# KiCad board SparkFun_IoT_RedBoard-RP2350_panelized.kicad_pcb (continued)
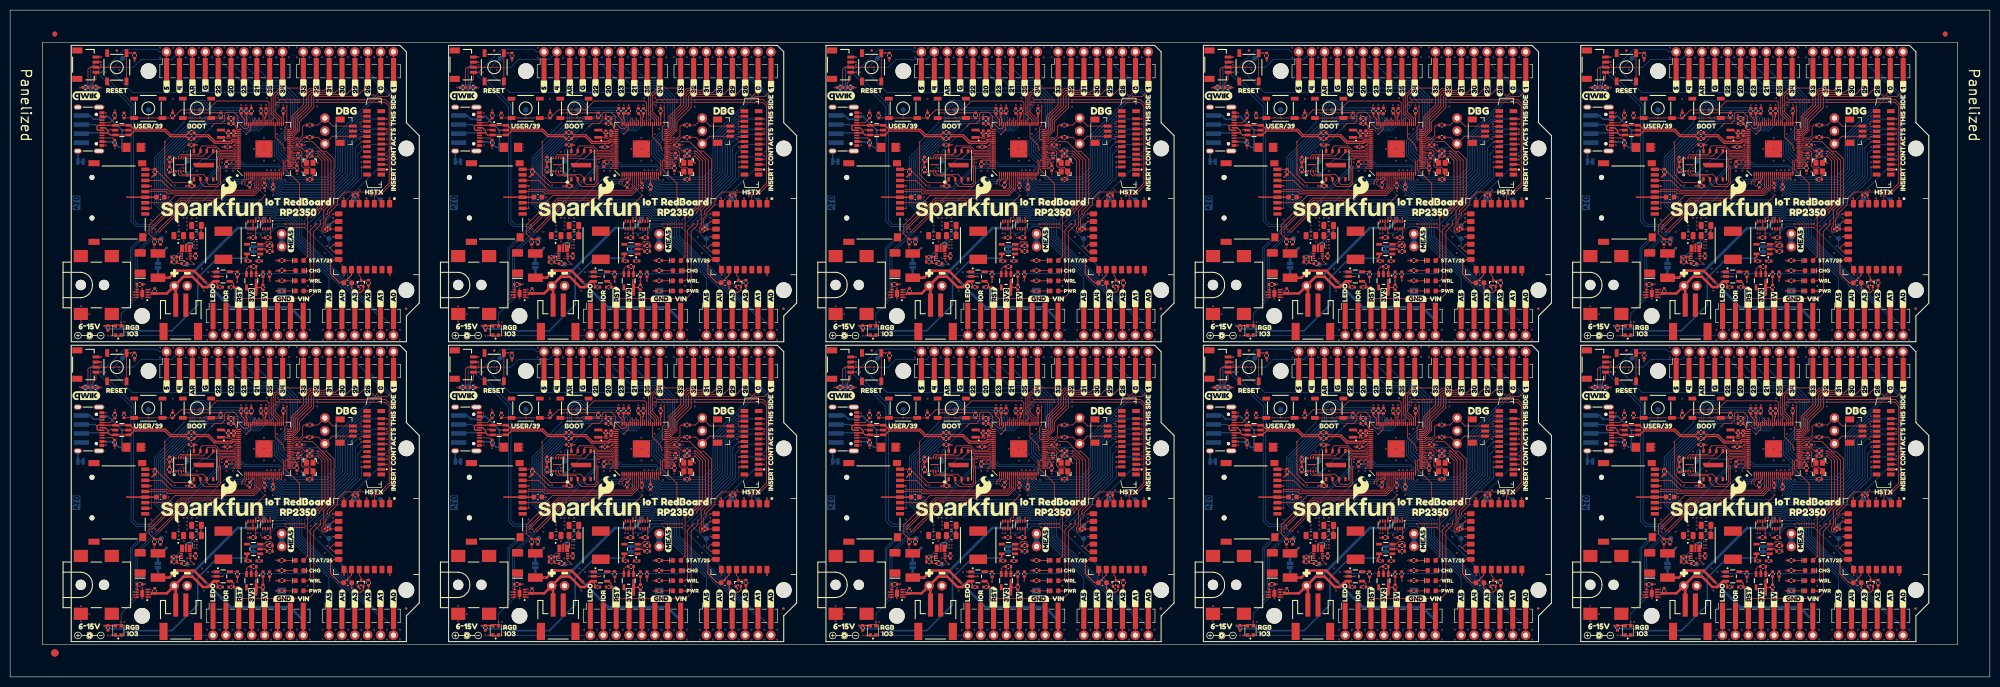
[diagram p0: board, top side]
## Routing (per net, layer and track width the routed paths; a pad name or vN(x,y) marks a point on that pad's centre or on a via; arc(x,y) is an arc through that point) (continued)
/Core/FLASH_~{CS}: length 422
  Top w0.15: v1(253.55,46.36) 253.55,39.96 255.2,38.31 v1(258.8,38.31) ; 333.65,96.79 333.67,96.78 333.67,96.92 v1(333.16,97.43) ; v1(34.27,111.18) 41.51,111.18 R9#2.1 ; U3#5.1 259.3,38.8 v1(258.8,38.31) ; 259.3,96.79 259.31,96.78 259.31,96.92 v1(258.8,97.43) ; 110.58,37.67 110.59,37.66 110.59,37.8 v1(110.08,38.31) ; v1(339.11,42.91) 339.36,43.16 341.78,43.16 341.78,43.16 U1#10.75 ; v1(104.83,105.48) 104.83,99.08 106.48,97.43 v1(110.08,97.43) ; v1(30.47,46.36) 30.47,39.96 32.12,38.31 v1(35.72,38.31) ; U1#3.75 193.06,102.28 193.06,102.28 190.64,102.28 v1(190.39,102.03) ; R9#5.1 190.23,111.18 v1(182.99,111.18) ; v1(184.44,97.43) 184.95,96.92 184.95,96.78 184.94,96.79 ; v1(184.44,97.43) 180.84,97.43 179.19,99.08 v1(179.19,105.48) ; v1(184.44,97.43) 184.94,97.92 U3#8.1 ; R9#10.1 338.95,52.06 v1(331.71,52.06) ; v1(35.72,97.43) 36.23,96.92 36.23,96.78 36.21,96.79 ; v1(35.72,97.43) 36.21,97.92 U3#4.1 ; v1(35.72,97.43) 32.12,97.43 30.47,99.08 v1(30.47,105.48) ; 36.21,37.67 36.23,37.66 36.23,37.8 v1(35.72,38.31) ; v1(184.44,38.31) 184.94,38.8 U3#7.1 ; v1(184.44,38.31) 180.84,38.31 179.19,39.96 v1(179.19,46.36) ; v1(184.44,38.31) 184.95,37.8 184.95,37.66 184.94,37.67 ; U1#5.75 118.7,102.28 118.7,102.28 116.28,102.28 v1(116.03,102.03) ; v1(333.16,97.43) 329.56,97.43 327.91,99.08 v1(327.91,105.48) ; v1(333.16,97.43) 333.65,97.92 333.65,98.1 ; 333.65,37.67 333.67,37.66 333.67,37.8 v1(333.16,38.31) ; U1#8.75 267.42,43.16 267.42,43.16 265,43.16 v1(264.75,42.91) ; v1(41.67,42.91) 41.92,43.16 44.34,43.16 44.34,43.16 U1.75 ; v1(258.8,97.43) 259.3,97.92 U3#10.1 ; v1(258.8,97.43) 255.2,97.43 253.55,99.08 v1(253.55,105.48) ; U3#2.1 110.58,38.8 v1(110.08,38.31) ; U3.1 36.21,38.8 v1(35.72,38.31) ; v1(116.03,42.91) 116.28,43.16 118.7,43.16 118.7,43.16 U1#4.75 ; v1(110.08,97.43) 110.58,97.92 U3#3.1 ; v1(110.08,97.43) 110.59,96.92 110.59,96.78 110.58,96.79 ; v1(333.16,38.31) 333.65,38.8 333.65,38.98 ; v1(333.16,38.31) 329.56,38.31 327.91,39.96 v1(327.91,46.36) ; v1(110.08,38.31) 106.48,38.31 104.83,39.96 v1(104.83,46.36) ; v1(264.75,102.03) 265,102.28 267.42,102.28 267.42,102.28 U1#2.75 ; R9#4.1 338.95,111.18 v1(331.71,111.18) ; R9#3.1 264.59,52.06 v1(257.35,52.06) ; v1(41.67,102.03) 41.92,102.28 44.34,102.28 44.34,102.28 U1#6.75 ; v1(182.99,52.06) 190.23,52.06 R9#8.1 ; v1(108.63,111.18) 115.87,111.18 R9#6.1 ; v1(34.27,52.06) 41.51,52.06 R9.1 ; R9#7.1 264.59,111.18 v1(257.35,111.18) ; U1#9.75 341.78,102.28 341.78,102.28 339.36,102.28 v1(339.11,102.03) ; v1(258.8,38.31) 259.31,37.8 259.31,37.66 259.3,37.67 ; R9#9.1 115.87,52.06 v1(108.63,52.06) ; U1#7.75 193.06,43.16 193.06,43.16 190.64,43.16 v1(190.39,42.91)
  Bottom w0.15: v1(182.99,52.06) 182.99,50.16 v1(179.19,46.36) ; v1(41.67,42.91) 37.81,42.91 TP6.1 35.72,39.14 v1(35.72,38.31) ; v1(190.39,42.91) 186.53,42.91 TP6#5.1 184.44,39.14 v1(184.44,38.31) ; v1(331.71,52.06) 331.71,50.16 v1(327.91,46.36) ; v1(182.99,111.18) 182.99,109.28 v1(179.19,105.48) ; v1(331.71,111.18) 331.71,109.28 v1(327.91,105.48) ; v1(104.83,105.48) 108.63,109.28 v1(108.63,111.18) ; v1(264.75,102.03) 260.89,102.03 TP6#7.1 258.8,98.26 v1(258.8,97.43) ; v1(190.39,102.03) 186.53,102.03 TP6#2.1 184.44,98.26 v1(184.44,97.43) ; v1(116.03,42.91) 112.17,42.91 TP6#3.1 110.08,39.14 v1(110.08,38.31) ; v1(35.72,97.43) 35.72,98.26 TP6#8.1 37.81,102.03 v1(41.67,102.03) ; v1(30.47,105.48) 34.27,109.28 v1(34.27,111.18) ; v1(30.47,46.36) 34.27,50.16 v1(34.27,52.06) ; v1(110.08,97.43) 110.08,98.26 TP6#6.1 112.17,102.03 v1(116.03,102.03) ; v1(258.8,38.31) 258.8,39.14 TP6#9.1 260.89,42.91 v1(264.75,42.91) ; v1(339.11,42.91) 335.25,42.91 TP6#4.1 333.16,39.14 v1(333.16,38.31) ; v1(108.63,52.06) 108.63,50.16 v1(104.83,46.36) ; v1(253.55,46.36) 257.35,50.16 v1(257.35,52.06) ; v1(339.11,102.03) 335.25,102.03 TP6#10.1 333.16,98.26 v1(333.16,97.43) ; v1(253.55,105.48) 257.35,109.28 v1(257.35,111.18)
/Core/IO8_POCI: length 253
  Top w0.15: U1#8.6 271.3,37.41 270.7,36.81 254.8,36.81 252.87,38.74 J14#7.7 ; J14.7 29.79,38.74 31.72,36.81 47.62,36.81 48.22,37.41 U1.6 ; U1#3.6 196.94,96.53 196.34,95.93 180.44,95.93 178.51,97.86 J14#4.7 ; J14#8.7 327.23,38.74 329.16,36.81 345.06,36.81 345.66,37.41 U1#10.6 ; J14#6.7 104.15,97.86 106.08,95.93 121.98,95.93 122.58,96.53 U1#5.6 ; J14#9.7 252.87,97.86 254.8,95.93 270.7,95.93 271.3,96.53 U1#2.6 ; J14#10.7 327.23,97.86 329.16,95.93 345.06,95.93 345.66,96.53 U1#9.6 ; U1#6.6 48.22,96.53 47.62,95.93 31.72,95.93 29.79,97.86 J14#2.7 ; J14#3.7 178.51,38.74 180.44,36.81 196.34,36.81 196.94,37.41 U1#7.6 ; U1#4.6 122.58,37.41 121.98,36.81 106.08,36.81 104.15,38.74 J14#5.7
/Core/IO9_~{CS}: length 290.2
  Top w0.15: U1#3.7 197.34,96.43 196.49,95.58 180.19,95.58 179.69,96.08 v1(176.54,96.08) ; U1#8.7 271.7,37.31 270.85,36.46 254.55,36.46 254.05,36.96 v1(250.9,36.96) ; v1(250.9,92.38) 250.88,92.36 J14#9.2 ; U1#5.7 122.98,96.43 122.13,95.58 105.83,95.58 105.33,96.08 v1(102.18,96.08) ; J14#10.2 325.24,92.36 v1(325.26,92.38) ; v1(27.82,96.08) 30.97,96.08 31.47,95.58 47.77,95.58 48.62,96.43 U1#6.7 ; J14#7.2 250.88,33.24 v1(250.9,33.26) ; v1(27.82,36.96) 30.97,36.96 31.47,36.46 47.77,36.46 48.62,37.31 U1.7 ; J14#2.2 27.8,92.36 v1(27.82,92.38) ; v1(102.18,36.96) 105.33,36.96 105.83,36.46 122.13,36.46 122.98,37.31 U1#4.7 ; U1#7.7 197.34,37.31 196.49,36.46 180.19,36.46 179.69,36.96 v1(176.54,36.96) ; v1(102.18,33.26) 102.16,33.24 J14#5.2 ; U1#9.7 346.06,96.43 345.21,95.58 328.91,95.58 328.41,96.08 v1(325.26,96.08) ; v1(176.54,92.38) 176.52,92.36 J14#4.2 ; v1(27.82,33.26) 27.8,33.24 J14.2 ; v1(325.26,36.96) 328.41,36.96 328.91,36.46 345.21,36.46 346.06,37.31 U1#10.7 ; v1(102.18,92.38) 102.16,92.36 J14#6.2 ; U1#2.7 271.7,96.43 270.85,95.58 254.55,95.58 254.05,96.08 v1(250.9,96.08) ; v1(325.26,33.26) 325.24,33.24 J14#8.2 ; v1(176.54,33.26) 176.52,33.24 J14#3.2
  Bottom w0.15: v1(102.18,36.96) v1(102.18,33.26) ; v1(250.9,36.96) v1(250.9,33.26) ; v1(27.82,36.96) v1(27.82,33.26) ; v1(250.9,96.08) v1(250.9,92.38) ; v1(325.26,96.08) v1(325.26,92.38) ; v1(176.54,96.08) v1(176.54,92.38) ; v1(176.54,36.96) v1(176.54,33.26) ; v1(27.82,96.08) v1(27.82,92.38) ; v1(325.26,36.96) v1(325.26,33.26) ; v1(102.18,96.08) v1(102.18,92.38)
/Core/IO10_SCK: length 258.9
  Top w0.15: J14#3.5 179.41,36.54 179.84,36.11 196.64,36.11 197.74,37.21 U1#7.8 ; J14#5.5 105.05,36.54 105.48,36.11 122.28,36.11 123.38,37.21 U1#4.8 ; J14#4.5 179.41,95.66 179.84,95.23 196.64,95.23 197.74,96.33 U1#3.8 ; J14#7.5 253.77,36.54 254.2,36.11 271,36.11 272.1,37.21 U1#8.8 ; J14#6.5 105.05,95.66 105.48,95.23 122.28,95.23 123.38,96.33 U1#5.8 ; J14#2.5 30.69,95.66 31.12,95.23 47.92,95.23 49.02,96.33 U1#6.8 ; J14#9.5 253.77,95.66 254.2,95.23 271,95.23 272.1,96.33 U1#2.8 ; J14#8.5 328.13,36.54 328.56,36.11 345.36,36.11 346.46,37.21 U1#10.8 ; U1.8 49.02,37.21 47.92,36.11 31.12,36.11 30.69,36.54 J14.5 ; U1#9.8 346.46,96.33 345.36,95.23 328.56,95.23 328.13,95.66 J14#10.5
/Core/IO11_PICO: length 269
  Top w0.15: J14.3 31.1,34.34 32.52,35.76 48.07,35.76 49.42,37.11 U1.9 ; U1#10.9 346.86,37.11 345.51,35.76 329.96,35.76 328.54,34.34 J14#8.3 ; J14#6.3 105.46,93.46 106.88,94.88 122.43,94.88 123.78,96.23 U1#5.9 ; J14#9.3 254.18,93.46 255.6,94.88 271.15,94.88 272.5,96.23 U1#2.9 ; J14#2.3 31.1,93.46 32.52,94.88 48.07,94.88 49.42,96.23 U1#6.9 ; U1#4.9 123.78,37.11 122.43,35.76 106.88,35.76 105.46,34.34 J14#5.3 ; U1#8.9 272.5,37.11 271.15,35.76 255.6,35.76 254.18,34.34 J14#7.3 ; U1#3.9 198.14,96.23 196.79,94.88 181.24,94.88 179.82,93.46 J14#4.3 ; J14#3.3 179.82,34.34 181.24,35.76 196.79,35.76 198.14,37.11 U1#7.9 ; J14#10.3 328.54,93.46 329.96,94.88 345.51,94.88 346.86,96.23 U1#9.9
/Core/IO12_HSTX0: length 357.5
  Top w0.15: v1(74.22,45.86) 74.17,45.91 J11.11 ; U1#9.11 v1(347.66,98.08) ; J11#8.11 297.25,45.91 v1(297.3,45.86) ; v1(148.58,45.86) 148.53,45.91 J11#4.11 ; v1(222.94,45.86) 222.89,45.91 J11#6.11 ; J11#2.11 222.89,105.03 v1(222.94,104.98) ; J11#9.11 297.25,105.03 v1(297.3,104.98) ; U1#2.11 v1(273.3,98.08) ; J11#7.11 371.61,105.03 v1(371.66,104.98) ; U1#3.11 v1(198.94,98.08) ; U1#4.11 v1(124.58,38.96) ; J11#3.11 74.17,105.03 v1(74.22,104.98) ; U1.11 v1(50.22,38.96) ; J11#10.11 371.61,45.91 v1(371.66,45.86) ; U1#10.11 v1(347.66,38.96) ; U1#7.11 v1(198.94,38.96) ; U1#8.11 v1(273.3,38.96) ; J11#5.11 148.53,105.03 v1(148.58,104.98) ; U1#6.11 v1(50.22,98.08) ; U1#5.11 v1(124.58,98.08)
  Bottom w0.15: v1(50.22,98.08) 50.22,97.08 53.27,94.03 64.12,94.03 68.52,98.43 68.52,103.08 70.42,104.98 v1(74.22,104.98) ; v1(371.66,104.98) 367.86,104.98 365.96,103.08 365.96,98.43 361.56,94.03 350.71,94.03 347.66,97.08 v1(347.66,98.08) ; v1(222.94,104.98) 219.14,104.98 217.24,103.08 217.24,98.43 212.84,94.03 201.99,94.03 198.94,97.08 v1(198.94,98.08) ; v1(148.58,104.98) 144.78,104.98 142.88,103.08 142.88,98.43 138.48,94.03 127.63,94.03 124.58,97.08 v1(124.58,98.08) ; v1(347.66,38.96) 347.66,37.96 350.71,34.91 361.56,34.91 365.96,39.31 365.96,43.96 367.86,45.86 v1(371.66,45.86) ; v1(273.3,38.96) 273.3,37.96 276.35,34.91 287.2,34.91 291.6,39.31 291.6,43.96 293.5,45.86 v1(297.3,45.86) ; v1(273.3,98.08) 273.3,97.08 276.35,94.03 287.2,94.03 291.6,98.43 291.6,103.08 293.5,104.98 v1(297.3,104.98) ; v1(124.58,38.96) 124.58,37.96 127.63,34.91 138.48,34.91 142.88,39.31 142.88,43.96 144.78,45.86 v1(148.58,45.86) ; v1(74.22,45.86) 70.42,45.86 68.52,43.96 68.52,39.31 64.12,34.91 53.27,34.91 50.22,37.96 v1(50.22,38.96) ; v1(222.94,45.86) 219.14,45.86 217.24,43.96 217.24,39.31 212.84,34.91 201.99,34.91 198.94,37.96 v1(198.94,38.96)
/Core/IO13_HSTX1: length 306.1
  Top w0.15: J11#8.12 292.35,46.41 v1(292.3,46.36) ; U1#9.12 v1(348.06,98.38) ; U1#6.12 v1(50.62,98.38) ; J11#5.12 143.63,105.53 v1(143.58,105.48) ; U1#3.12 v1(199.34,98.38) ; U1#5.12 v1(124.98,98.38) ; v1(366.66,105.48) 366.71,105.53 J11#7.12 ; J11#2.12 217.99,105.53 v1(217.94,105.48) ; U1#7.12 v1(199.34,39.26) ; v1(69.22,46.36) 69.27,46.41 J11.12 ; U1#2.12 v1(273.7,98.38) ; v1(143.58,46.36) 143.63,46.41 J11#4.12 ; U1#10.12 v1(348.06,39.26) ; J11#9.12 292.35,105.53 v1(292.3,105.48) ; v1(217.94,46.36) 217.99,46.41 J11#6.12 ; U1#8.12 v1(273.7,39.26) ; J11#3.12 69.27,105.53 v1(69.22,105.48) ; J11#10.12 366.71,46.41 v1(366.66,46.36) ; U1.12 v1(50.62,39.26) ; U1#4.12 v1(124.98,39.26)
  Bottom w0.15: v1(366.66,46.36) 365.46,45.16 365.46,39.51 361.36,35.41 350.81,35.41 348.06,38.16 v1(348.06,39.26) ; v1(348.06,98.38) 348.06,97.28 350.81,94.53 361.36,94.53 365.46,98.63 365.46,104.28 v1(366.66,105.48) ; v1(217.94,105.48) 216.74,104.28 216.74,98.63 212.64,94.53 202.09,94.53 199.34,97.28 v1(199.34,98.38) ; v1(143.58,46.36) 142.38,45.16 142.38,39.51 138.28,35.41 127.73,35.41 124.98,38.16 v1(124.98,39.26) ; v1(50.62,98.38) 50.62,97.28 53.37,94.53 63.92,94.53 68.02,98.63 68.02,104.28 v1(69.22,105.48) ; v1(217.94,46.36) 216.74,45.16 216.74,39.51 212.64,35.41 202.09,35.41 199.34,38.16 v1(199.34,39.26) ; v1(50.62,39.26) 50.62,38.16 53.37,35.41 63.92,35.41 68.02,39.51 68.02,45.16 v1(69.22,46.36) ; v1(124.98,98.38) 124.98,97.28 127.73,94.53 138.28,94.53 142.38,98.63 142.38,104.28 v1(143.58,105.48) ; v1(292.3,105.48) 291.1,104.28 291.1,98.63 287,94.53 276.45,94.53 273.7,97.28 v1(273.7,98.38) ; v1(292.3,46.36) 291.1,45.16 291.1,39.51 287,35.41 276.45,35.41 273.7,38.16 v1(273.7,39.26)
/Core/IO14_HSTX2: length 305
  Top w0.15: v1(292.3,106.48) 292.35,106.53 J11#9.14 ; U1.13 v1(51.02,38.96) ; J11#3.14 69.27,106.53 v1(69.22,106.48) ; v1(292.3,47.36) 292.35,47.41 J11#8.14 ; U1#2.13 v1(274.1,98.08) ; v1(69.22,47.36) 69.27,47.41 J11.14 ; J11#5.14 143.63,106.53 v1(143.58,106.48) ; U1#4.13 v1(125.38,38.96) ; U1#8.13 v1(274.1,38.96) ; v1(366.66,47.36) 366.71,47.41 J11#10.14 ; v1(366.66,106.48) 366.71,106.53 J11#7.14 ; J11#6.14 217.99,47.41 v1(217.94,47.36) ; U1#7.13 v1(199.74,38.96) ; U1#3.13 v1(199.74,98.08) ; U1#5.13 v1(125.38,98.08) ; J11#4.14 143.63,47.41 v1(143.58,47.36) ; U1#6.13 v1(51.02,98.08) ; J11#2.14 217.99,106.53 v1(217.94,106.48) ; U1#10.13 v1(348.46,38.96) ; U1#9.13 v1(348.46,98.08)
  Bottom w0.15: v1(366.66,106.48) 366.26,106.48 364.96,105.18 364.96,98.83 361.16,95.03 350.91,95.03 348.46,97.48 v1(348.46,98.08) ; v1(125.38,38.96) 125.38,38.36 127.83,35.91 138.08,35.91 141.88,39.71 141.88,46.06 143.18,47.36 v1(143.58,47.36) ; v1(51.02,38.96) 51.02,38.36 53.47,35.91 63.72,35.91 67.52,39.71 67.52,46.06 68.82,47.36 v1(69.22,47.36) ; v1(199.74,98.08) 199.74,97.48 202.19,95.03 212.44,95.03 216.24,98.83 216.24,105.18 217.54,106.48 v1(217.94,106.48) ; v1(292.3,47.36) 291.9,47.36 290.6,46.06 290.6,39.71 286.8,35.91 276.55,35.91 274.1,38.36 v1(274.1,38.96) ; v1(292.3,106.48) 291.9,106.48 290.6,105.18 290.6,98.83 286.8,95.03 276.55,95.03 274.1,97.48 v1(274.1,98.08) ; v1(69.22,106.48) 68.82,106.48 67.52,105.18 67.52,98.83 63.72,95.03 53.47,95.03 51.02,97.48 v1(51.02,98.08) ; v1(217.94,47.36) 217.54,47.36 216.24,46.06 216.24,39.71 212.44,35.91 202.19,35.91 199.74,38.36 v1(199.74,38.96) ; v1(366.66,47.36) 366.26,47.36 364.96,46.06 364.96,39.71 361.16,35.91 350.91,35.91 348.46,38.36 v1(348.46,38.96) ; v1(143.58,106.48) 143.18,106.48 141.88,105.18 141.88,98.83 138.08,95.03 127.83,95.03 125.38,97.48 v1(125.38,98.08)
/Core/IO15_HSTX3: length 348.4
  Top w0.15: U1.14 v1(51.42,39.26) ; J11#8.15 297.25,47.91 v1(297.3,47.86) ; v1(222.94,106.98) 222.89,107.03 J11#2.15 ; J11#4.15 148.53,47.91 v1(148.58,47.86) ; J11#10.15 371.61,47.91 v1(371.66,47.86) ; U1#4.14 v1(125.78,39.26) ; U1#6.14 v1(51.42,98.38) ; J11.15 74.17,47.91 v1(74.22,47.86) ; v1(74.22,106.98) 74.17,107.03 J11#3.15 ; U1#5.14 v1(125.78,98.38) ; U1#8.14 v1(274.5,39.26) ; J11#5.15 148.53,107.03 v1(148.58,106.98) ; U1#2.14 v1(274.5,98.38) ; v1(371.66,106.98) 371.61,107.03 J11#7.15 ; U1#7.14 v1(200.14,39.26) ; J11#6.15 222.89,47.91 v1(222.94,47.86) ; U1#9.14 v1(348.86,98.38) ; U1#3.14 v1(200.14,98.38) ; J11#9.15 297.25,107.03 v1(297.3,106.98) ; U1#10.14 v1(348.86,39.26)
  Bottom w0.15: v1(148.58,47.86) 142.88,47.86 141.38,46.36 141.38,39.91 137.88,36.41 127.93,36.41 125.78,38.56 v1(125.78,39.26) ; v1(74.22,47.86) 68.52,47.86 67.02,46.36 67.02,39.91 63.52,36.41 53.57,36.41 51.42,38.56 v1(51.42,39.26) ; v1(297.3,47.86) 291.6,47.86 290.1,46.36 290.1,39.91 286.6,36.41 276.65,36.41 274.5,38.56 v1(274.5,39.26) ; v1(200.14,98.38) 200.14,97.68 202.29,95.53 212.24,95.53 215.74,99.03 215.74,105.48 217.24,106.98 v1(222.94,106.98) ; v1(125.78,98.38) 125.78,97.68 127.93,95.53 137.88,95.53 141.38,99.03 141.38,105.48 142.88,106.98 v1(148.58,106.98) ; v1(348.86,98.38) 348.86,97.68 351.01,95.53 360.96,95.53 364.46,99.03 364.46,105.48 365.96,106.98 v1(371.66,106.98) ; v1(222.94,47.86) 217.24,47.86 215.74,46.36 215.74,39.91 212.24,36.41 202.29,36.41 200.14,38.56 v1(200.14,39.26) ; v1(51.42,98.38) 51.42,97.68 53.57,95.53 63.52,95.53 67.02,99.03 67.02,105.48 68.52,106.98 v1(74.22,106.98) ; v1(274.5,98.38) 274.5,97.68 276.65,95.53 286.6,95.53 290.1,99.03 290.1,105.48 291.6,106.98 v1(297.3,106.98) ; v1(348.86,39.26) 348.86,38.56 351.01,36.41 360.96,36.41 364.46,39.91 364.46,46.36 365.96,47.86 v1(371.66,47.86)
/Core/IO16_HSTX4: length 342.1
  Top w0.15: U1#10.16 v1(349.66,39.26) ; v1(74.22,48.86) 74.17,48.91 J11.17 ; J11#4.17 148.53,48.91 v1(148.58,48.86) ; U1#7.16 v1(200.94,39.26) ; U1#3.16 v1(200.94,98.38) ; J11#3.17 74.17,108.03 v1(74.22,107.98) ; U1#6.16 v1(52.22,98.38) ; J11#10.17 371.61,48.91 v1(371.66,48.86) ; J11#6.17 222.89,48.91 v1(222.94,48.86) ; v1(148.58,107.98) 148.53,108.03 J11#5.17 ; U1#8.16 v1(275.3,39.26) ; v1(222.94,107.98) 222.89,108.03 J11#2.17 ; U1#4.16 v1(126.58,39.26) ; v1(297.3,48.86) 297.25,48.91 J11#8.17 ; U1#5.16 v1(126.58,98.38) ; U1.16 v1(52.22,39.26) ; v1(371.66,107.98) 371.61,108.03 J11#7.17 ; J11#9.17 297.25,108.03 v1(297.3,107.98) ; U1#2.16 v1(275.3,98.38) ; U1#9.16 v1(349.66,98.38)
  Bottom w0.15: v1(275.3,98.38) 275.3,97.48 276.75,96.03 286.5,96.03 289.6,99.13 289.6,105.68 291.9,107.98 v1(297.3,107.98) ; v1(371.66,48.86) 366.26,48.86 363.96,46.56 363.96,40.01 360.86,36.91 351.11,36.91 349.66,38.36 v1(349.66,39.26) ; v1(126.58,98.38) 126.58,97.48 128.03,96.03 137.78,96.03 140.88,99.13 140.88,105.68 143.18,107.98 v1(148.58,107.98) ; v1(52.22,39.26) 52.22,38.36 53.67,36.91 63.42,36.91 66.52,40.01 66.52,46.56 68.82,48.86 v1(74.22,48.86) ; v1(200.94,98.38) 200.94,97.48 202.39,96.03 212.14,96.03 215.24,99.13 215.24,105.68 217.54,107.98 v1(222.94,107.98) ; v1(52.22,98.38) 52.22,97.48 53.67,96.03 63.42,96.03 66.52,99.13 66.52,105.68 68.82,107.98 v1(74.22,107.98) ; v1(371.66,107.98) 366.26,107.98 363.96,105.68 363.96,99.13 360.86,96.03 351.11,96.03 349.66,97.48 v1(349.66,98.38) ; v1(275.3,39.26) 275.3,38.36 276.75,36.91 286.5,36.91 289.6,40.01 289.6,46.56 291.9,48.86 v1(297.3,48.86) ; v1(126.58,39.26) 126.58,38.36 128.03,36.91 137.78,36.91 140.88,40.01 140.88,46.56 143.18,48.86 v1(148.58,48.86) ; v1(200.94,39.26) 200.94,38.36 202.39,36.91 212.14,36.91 215.24,40.01 215.24,46.56 217.54,48.86 v1(222.94,48.86)
/Core/IO17_HSTX5: length 284.9
  Top w0.15: v1(217.94,49.36) 217.99,49.41 J11#6.18 ; U1#8.17 v1(275.7,38.96) ; v1(69.22,49.36) 69.27,49.41 J11.18 ; U1.17 v1(52.62,38.96) ; U1#9.17 v1(350.06,98.08) ; v1(143.58,49.36) 143.63,49.41 J11#4.18 ; U1#4.17 v1(126.98,38.96) ; J11#8.18 292.35,49.41 v1(292.3,49.36) ; U1#6.17 v1(52.62,98.08) ; v1(366.66,108.48) 366.71,108.53 J11#7.18 ; J11#3.18 69.27,108.53 v1(69.22,108.48) ; J11#5.18 143.63,108.53 v1(143.58,108.48) ; v1(217.94,108.48) 217.99,108.53 J11#2.18 ; v1(366.66,49.36) 366.71,49.41 J11#10.18 ; U1#2.17 v1(275.7,98.08) ; U1#5.17 v1(126.98,98.08) ; U1#7.17 v1(201.34,38.96) ; U1#10.17 v1(350.06,38.96) ; J11#9.18 292.35,108.53 v1(292.3,108.48) ; U1#3.17 v1(201.34,98.08)
  Bottom w0.15: v1(69.22,108.48) 68.62,108.48 66.02,105.88 66.02,99.33 63.22,96.53 53.77,96.53 52.62,97.68 v1(52.62,98.08) ; v1(201.34,98.08) 201.34,97.68 202.49,96.53 211.94,96.53 214.74,99.33 214.74,105.88 217.34,108.48 v1(217.94,108.48) ; v1(292.3,49.36) 291.7,49.36 289.1,46.76 289.1,40.21 286.3,37.41 276.85,37.41 275.7,38.56 v1(275.7,38.96) ; v1(292.3,108.48) 291.7,108.48 289.1,105.88 289.1,99.33 286.3,96.53 276.85,96.53 275.7,97.68 v1(275.7,98.08) ; v1(52.62,38.96) 52.62,38.56 53.77,37.41 63.22,37.41 66.02,40.21 66.02,46.76 68.62,49.36 v1(69.22,49.36) ; v1(366.66,49.36) 366.06,49.36 363.46,46.76 363.46,40.21 360.66,37.41 351.21,37.41 350.06,38.56 v1(350.06,38.96) ; v1(201.34,38.96) 201.34,38.56 202.49,37.41 211.94,37.41 214.74,40.21 214.74,46.76 217.34,49.36 v1(217.94,49.36) ; v1(126.98,38.96) 126.98,38.56 128.13,37.41 137.58,37.41 140.38,40.21 140.38,46.76 142.98,49.36 v1(143.58,49.36) ; v1(143.58,108.48) 142.98,108.48 140.38,105.88 140.38,99.33 137.58,96.53 128.13,96.53 126.98,97.68 v1(126.98,98.08) ; v1(366.66,108.48) 366.06,108.48 363.46,105.88 363.46,99.33 360.66,96.53 351.21,96.53 350.06,97.68 v1(350.06,98.08)
/Core/IO18_HSTX6: length 279.1
  Top w0.15: J11#4.20 143.63,50.41 v1(143.58,50.36) ; J11#9.20 292.35,109.53 v1(292.3,109.48) ; v1(292.3,50.36) 292.35,50.41 J11#8.20 ; v1(217.94,50.36) 217.99,50.41 J11#6.20 ; U1#10.18 v1(350.46,39.26) ; U1.18 v1(53.02,39.26) ; U1#8.18 v1(276.1,39.26) ; U1#2.18 v1(276.1,98.38) ; J11#3.20 69.27,109.53 v1(69.22,109.48) ; U1#5.18 v1(127.38,98.38) ; v1(217.94,109.48) 217.99,109.53 J11#2.20 ; v1(69.22,50.36) 69.27,50.41 J11.20 ; J11#7.20 366.71,109.53 v1(366.66,109.48) ; J11#10.20 366.71,50.41 v1(366.66,50.36) ; U1#9.18 v1(350.46,98.38) ; U1#7.18 v1(201.74,39.26) ; U1#4.18 v1(127.38,39.26) ; U1#3.18 v1(201.74,98.38) ; J11#5.20 143.63,109.53 v1(143.58,109.48) ; U1#6.18 v1(53.02,98.38)
  Bottom w0.15: v1(217.94,109.48) 217.64,109.48 214.24,106.08 214.24,99.63 211.64,97.03 202.59,97.03 201.74,97.88 v1(201.74,98.38) ; v1(276.1,39.26) 276.1,38.76 276.95,37.91 286,37.91 288.6,40.51 288.6,46.96 292,50.36 v1(292.3,50.36) ; v1(292.3,109.48) 292,109.48 288.6,106.08 288.6,99.63 286,97.03 276.95,97.03 276.1,97.88 v1(276.1,98.38) ; v1(366.66,109.48) 366.36,109.48 362.96,106.08 362.96,99.63 360.36,97.03 351.31,97.03 350.46,97.88 v1(350.46,98.38) ; v1(143.58,50.36) 143.28,50.36 139.88,46.96 139.88,40.51 137.28,37.91 128.23,37.91 127.38,38.76 v1(127.38,39.26) ; v1(69.22,50.36) 68.92,50.36 65.52,46.96 65.52,40.51 62.92,37.91 53.87,37.91 53.02,38.76 v1(53.02,39.26) ; v1(53.02,98.38) 53.02,97.88 53.87,97.03 62.92,97.03 65.52,99.63 65.52,106.08 68.92,109.48 v1(69.22,109.48) ; v1(366.66,50.36) 366.36,50.36 362.96,46.96 362.96,40.51 360.36,37.91 351.31,37.91 350.46,38.76 v1(350.46,39.26) ; v1(127.38,98.38) 127.38,97.88 128.23,97.03 137.28,97.03 139.88,99.63 139.88,106.08 143.28,109.48 v1(143.58,109.48) ; v1(201.74,39.26) 201.74,38.76 202.59,37.91 211.64,37.91 214.24,40.51 214.24,46.96 217.64,50.36 v1(217.94,50.36)
/Core/IO19_HSTX7: length 321.9
  Top w0.15: J11#10.21 371.61,50.91 v1(371.66,50.86) ; U1#4.19 v1(127.78,38.96) ; U1.19 v1(53.42,38.96) ; J11#7.21 371.61,110.03 v1(371.66,109.98) ; U1#7.19 v1(202.14,38.96) ; U1#2.19 v1(276.5,98.08) ; U1#5.19 v1(127.78,98.08) ; U1#10.19 v1(350.86,38.96) ; v1(74.22,109.98) 74.17,110.03 J11#3.21 ; v1(222.94,50.86) 222.89,50.91 J11#6.21 ; U1#8.19 v1(276.5,38.96) ; J11#4.21 148.53,50.91 v1(148.58,50.86) ; v1(222.94,109.98) 222.89,110.03 J11#2.21 ; J11#9.21 297.25,110.03 v1(297.3,109.98) ; v1(297.3,50.86) 297.25,50.91 J11#8.21 ; v1(148.58,109.98) 148.53,110.03 J11#5.21 ; J11.21 74.17,50.91 v1(74.22,50.86) ; U1#3.19 v1(202.14,98.08) ; U1#9.19 v1(350.86,98.08) ; U1#6.19 v1(53.42,98.08)
  Bottom w0.15: v1(222.94,109.98) 217.44,109.98 213.74,106.28 213.74,99.83 211.44,97.53 202.69,97.53 v1(202.14,98.08) ; v1(127.78,38.96) 128.33,38.41 137.08,38.41 139.38,40.71 139.38,47.16 143.08,50.86 v1(148.58,50.86) ; v1(74.22,109.98) 68.72,109.98 65.02,106.28 65.02,99.83 62.72,97.53 53.97,97.53 v1(53.42,98.08) ; v1(297.3,109.98) 291.8,109.98 288.1,106.28 288.1,99.83 285.8,97.53 277.05,97.53 v1(276.5,98.08) ; v1(350.86,98.08) 351.41,97.53 360.16,97.53 362.46,99.83 362.46,106.28 366.16,109.98 v1(371.66,109.98) ; v1(53.42,38.96) 53.97,38.41 62.72,38.41 65.02,40.71 65.02,47.16 68.72,50.86 v1(74.22,50.86) ; v1(350.86,38.96) 351.41,38.41 360.16,38.41 362.46,40.71 362.46,47.16 366.16,50.86 v1(371.66,50.86) ; v1(202.14,38.96) 202.69,38.41 211.44,38.41 213.74,40.71 213.74,47.16 217.44,50.86 v1(222.94,50.86) ; v1(148.58,109.98) 143.08,109.98 139.38,106.28 139.38,99.83 137.08,97.53 128.33,97.53 v1(127.78,98.08) ; v1(297.3,50.86) 291.8,50.86 288.1,47.16 288.1,40.71 285.8,38.41 277.05,38.41 v1(276.5,38.96)
/Core/PERI_POW: length 202.1
  Top w0.15: U1#5.4 v1(121.78,98.38) ; U1#6.4 v1(47.42,98.38) ; v1(346.41,31.36) 346.41,34.56 v1(347.66,35.81) ; R25.2 51.68,26.4 51.42,26.66 v1(50.52,26.66) 50.02,26.16 U10.3 ; v1(124.58,35.81) 123.33,34.56 v1(123.33,31.36) ; R25#2.2 126.04,85.52 125.78,85.78 v1(124.88,85.78) 124.38,85.28 U10#8.3 ; U10#6.3 198.74,26.16 v1(199.24,26.66) 200.14,26.66 200.4,26.4 R25#6.2 ; U1#10.4 v1(344.86,39.26) ; U1#3.4 v1(196.14,98.38) ; v1(123.33,90.48) 123.33,93.68 v1(124.58,94.93) ; v1(198.94,35.81) 197.69,34.56 v1(197.69,31.36) ; v1(50.22,35.81) 48.97,34.56 v1(48.97,31.36) ; R25#9.2 349.12,85.52 348.86,85.78 v1(347.96,85.78) 347.46,85.28 U10#10.3 ; U1.4 v1(47.42,39.26) ; U1#7.4 v1(196.14,39.26) ; U1#8.4 v1(270.5,39.26) ; U10#7.3 124.38,26.16 v1(124.88,26.66) 125.78,26.66 126.04,26.4 R25#3.2 ; v1(347.66,94.93) 346.41,93.68 v1(346.41,90.48) ; R25#10.2 274.76,85.52 274.5,85.78 v1(273.6,85.78) 273.1,85.28 U10#9.3 ; v1(273.3,94.93) 272.05,93.68 v1(272.05,90.48) ; v1(197.69,90.48) 197.69,93.68 v1(198.94,94.93) ; R25#7.2 200.4,85.52 200.14,85.78 v1(199.24,85.78) 198.74,85.28 U10#2.3 ; v1(272.05,31.36) 272.05,34.56 v1(273.3,35.81) ; U10#4.3 347.46,26.16 v1(347.96,26.66) 348.86,26.66 349.12,26.4 R25#8.2 ; U1#4.4 v1(121.78,39.26) ; R25#5.2 51.68,85.52 51.42,85.78 v1(50.52,85.78) 50.02,85.28 U10#3.3 ; U1#9.4 v1(344.86,98.38) ; U1#2.4 v1(270.5,98.38) ; U10#5.3 273.1,26.16 v1(273.6,26.66) 274.5,26.66 274.76,26.4 R25#4.2 ; v1(48.97,90.48) 48.97,93.68 v1(50.22,94.93)
  In1.Cu w0.15: v1(50.52,85.78) 50.52,86.93 48.82,88.63 48.82,90.33 v1(48.97,90.48) ; v1(199.24,85.78) 199.24,86.93 197.54,88.63 197.54,90.33 v1(197.69,90.48) ; v1(272.05,31.36) 271.9,31.21 271.9,29.51 273.6,27.81 v1(273.6,26.66) ; v1(123.33,90.48) 123.18,90.33 123.18,88.63 124.88,86.93 v1(124.88,85.78) ; v1(346.41,90.48) 346.26,90.33 346.26,88.63 347.96,86.93 v1(347.96,85.78) ; v1(273.6,85.78) 273.6,86.93 271.9,88.63 271.9,90.33 v1(272.05,90.48) ; v1(346.41,31.36) 346.26,31.21 346.26,29.51 347.96,27.81 v1(347.96,26.66) ; v1(123.33,31.36) 123.18,31.21 123.18,29.51 124.88,27.81 v1(124.88,26.66) ; v1(48.97,31.36) 48.82,31.21 48.82,29.51 50.52,27.81 v1(50.52,26.66) ; v1(197.69,31.36) 197.54,31.21 197.54,29.51 199.24,27.81 v1(199.24,26.66)
  Bottom w0.15: v1(273.3,35.81) 270.5,38.61 v1(270.5,39.26) ; v1(47.42,39.26) 47.42,38.61 v1(50.22,35.81) ; v1(50.22,94.93) 47.42,97.73 v1(47.42,98.38) ; v1(124.58,94.93) 121.78,97.73 v1(121.78,98.38) ; v1(198.94,35.81) 196.14,38.61 v1(196.14,39.26) ; v1(196.14,98.38) 196.14,97.73 v1(198.94,94.93) ; v1(121.78,39.26) 121.78,38.61 v1(124.58,35.81) ; v1(344.86,39.26) 344.86,38.61 v1(347.66,35.81) ; v1(273.3,94.93) 270.5,97.73 v1(270.5,98.38) ; v1(347.66,94.93) 344.86,97.73 v1(344.86,98.38)
